# Altium PCB Dahlia Carrier Board.PcbDoc (part 9 of 10)
Units mm, origin at the board's own origin, x right, y up, seen from the top; angles counter-clockwise.
Board outline 120 x 120 mm, 6 copper layers (Top Layer, GND, Layer 1, Layer 2, GND2, Bottom Layer), stack 1.558 mm thick; 879 components, 677 nets, 3194 pads, 1445 vias.
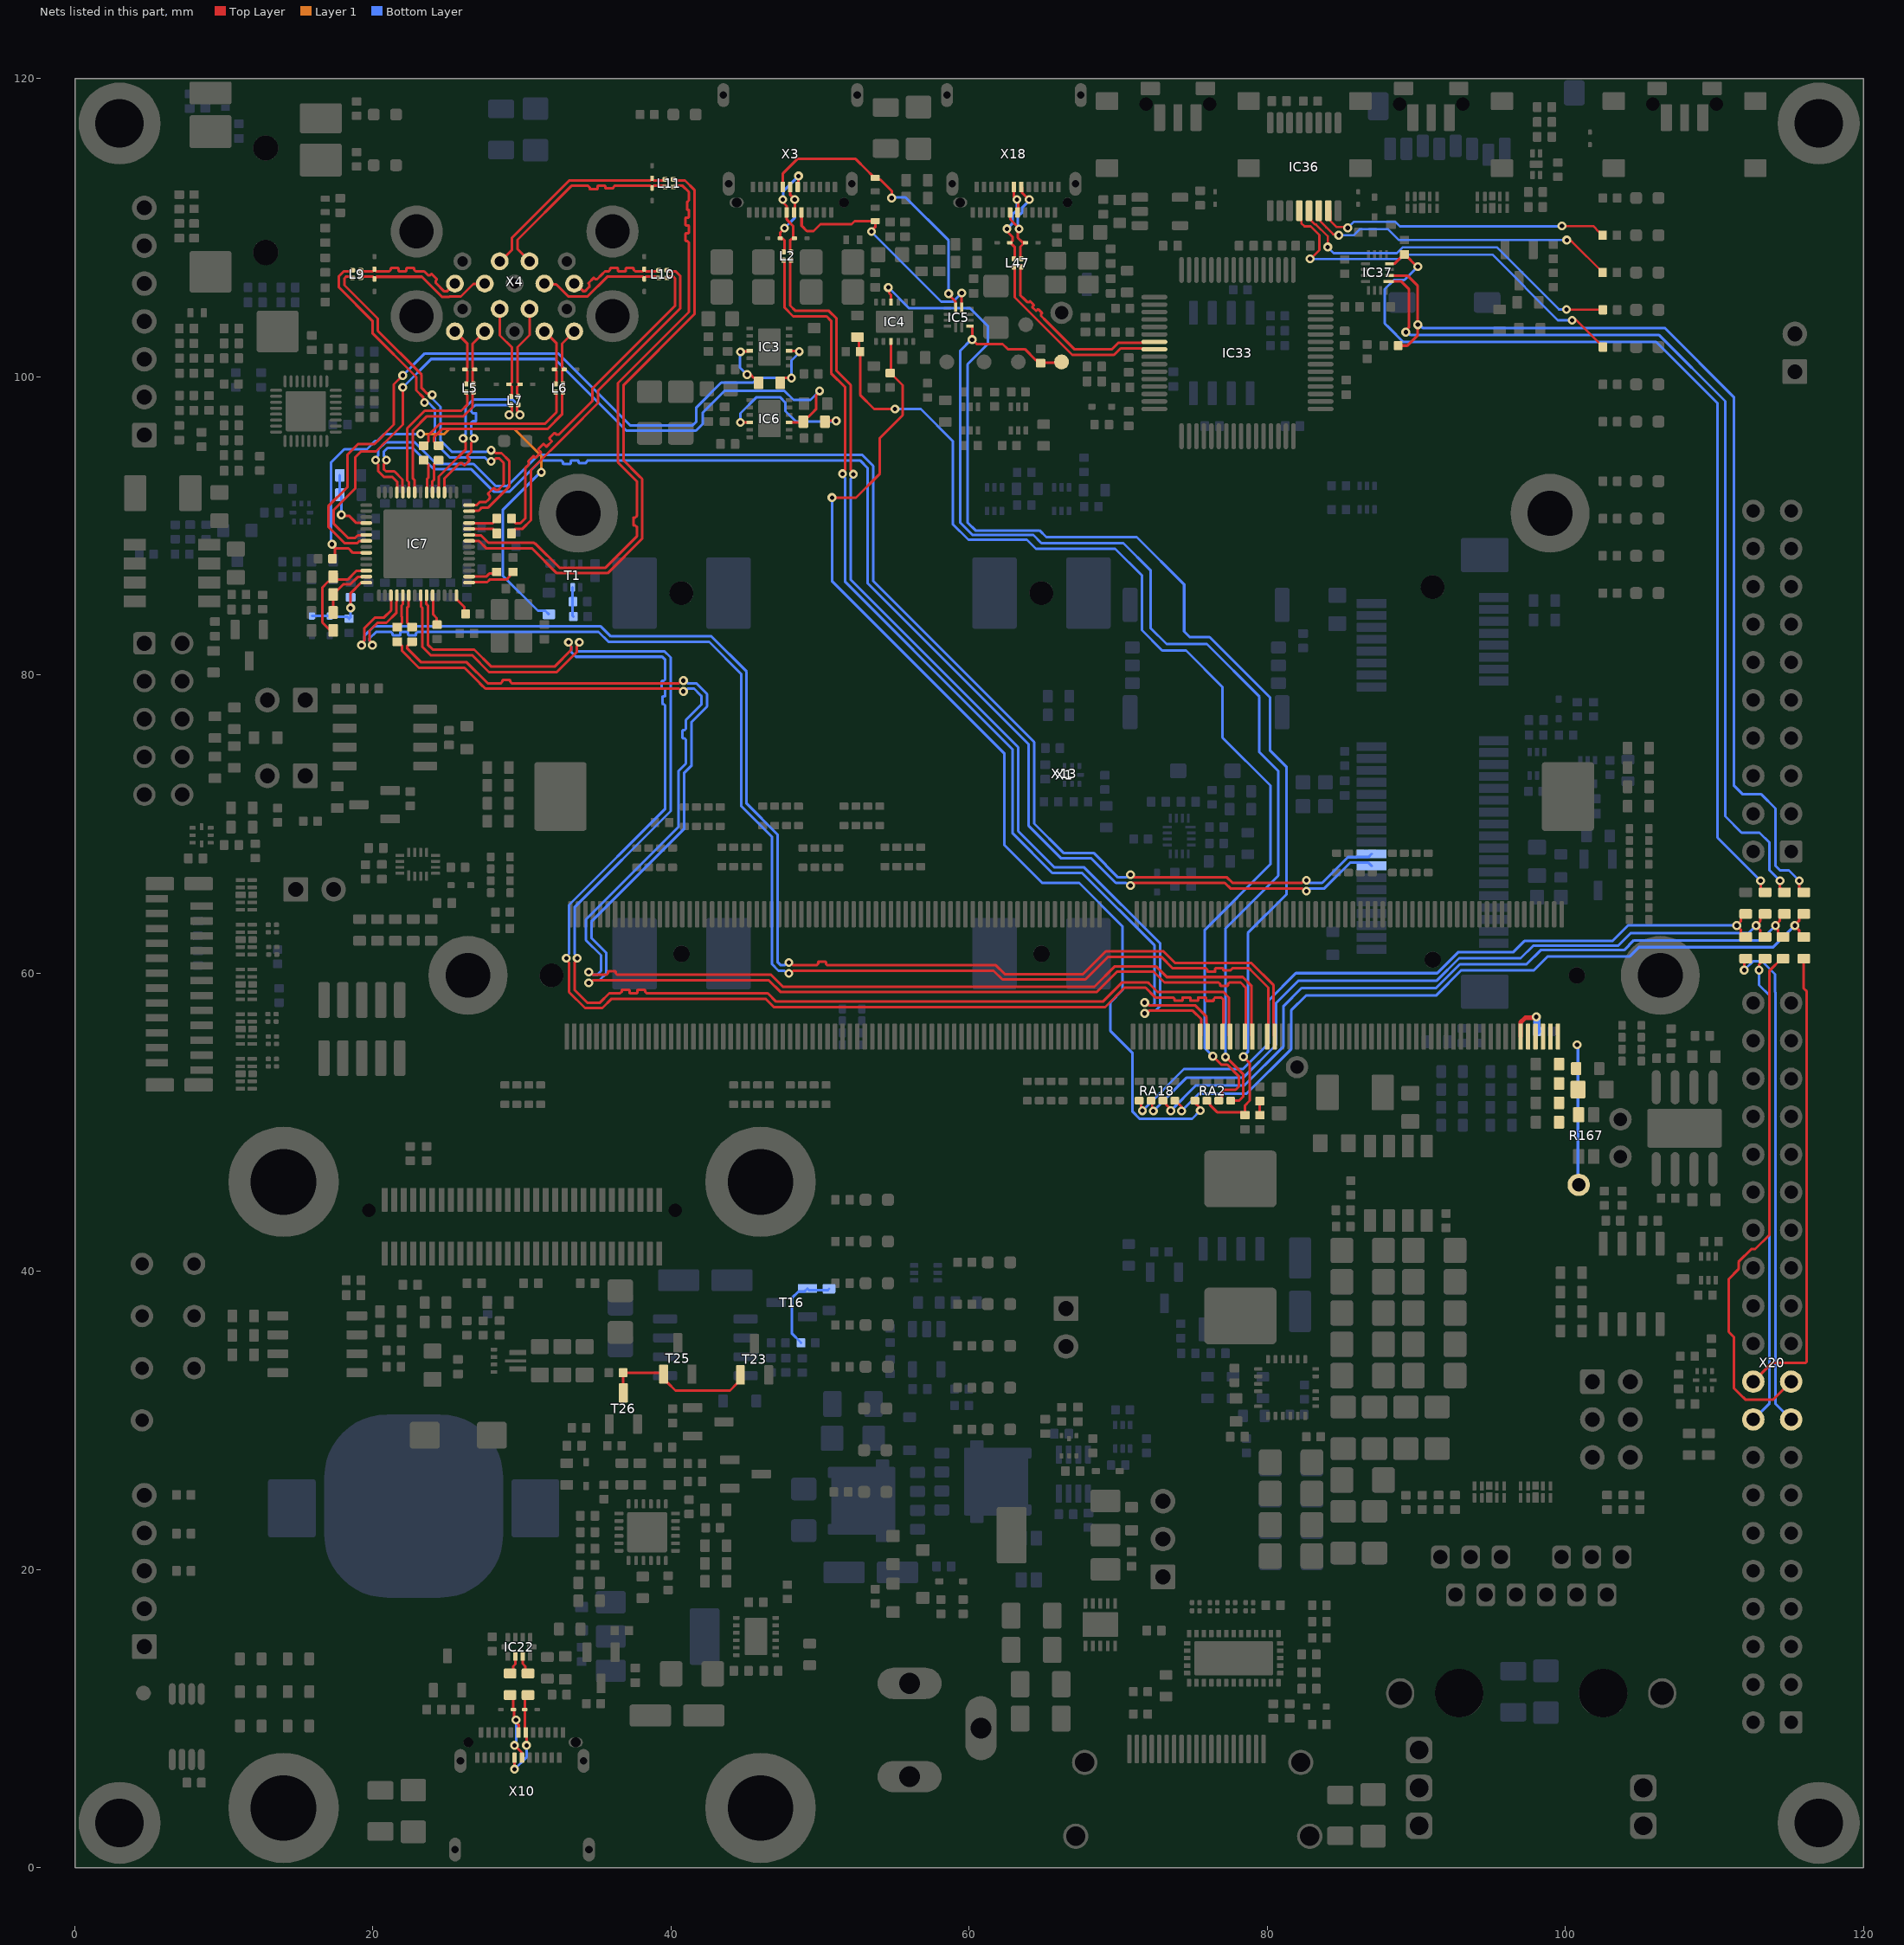
[diagram p13: the nets of this part, all layers, seen from the top]

## Via types
v1: diameter 0.6, hole 0.3, Top Layer to Bottom Layer, tented both sides, 1316 vias
v2: diameter 0.6/0/0/0/0/0.6 (per signal layer), hole 0.3, Top Layer to Bottom Layer, tented both sides, 70 vias
v3: diameter 0.6, hole 0.3, Top Layer to Bottom Layer, 58 vias
v4: diameter 0.6/0.6/0.6/0.6/0.6/0.6 (per signal layer), hole 0.3, Top Layer to Bottom Layer, tented both sides, 1 vias

## Nets (pads, with @x,y where several pads share a name; then routed paths per layer and width w, separated by ;. In a path a pad name is that pad's centre, name@x,y a point inside that pad or via, vN(x,y) a via of type N, cw(c..) or ccw(c..) an arc to the next point about the centre after c; other vN are vias at no path point) (continued)
UART_3_DBG_TXD: IC37.4 R324.1 R328.2 | length 66.3
  Top Layer w0.175: IC37.4@88.2,107.6 88.212,107.613 88.567,107.613 R324.1@89.15,108.195 ; R324.1@89.2,108.22 89.225,108.22 90.045,107.4 v1(90.1,107.4) ; v1(113.1,66.2) 113.1,65.663 113.337,65.425 R328.2@113.4,65.425
  Bottom Layer w0.175: v1(90.1,107.4) 89.2,106.5 88.5,106.5 87.885,105.885 87.885,103.587 88.187,103.285 89.122,102.35 106.1,102.35 110.204,98.246 110.204,69.096 v1(113.1,66.2)
UART_3_RXD: R327.1 R333.2 RA18.8 | length 49.5
  Top Layer w0.175: R333.2@112.1,62.425 112.026,62.425 111.789,62.663 111.789,62.896 111.6,63.085 111.6,63.315 111.789,63.504 111.789,63.738 112.026,63.975 R327.1@112.1,63.975
  Top Layer w0.18: RA18.8@71.4,51.45 71.541,51.309 71.541,50.857 v1(71.621,50.777)
  Bottom Layer w0.18: v1(71.621,50.777) 74.41,53.566 78.373,53.566 80.1,55.293 80.1,58.18 81.92,60 91.405,60 92.805,61.4 96.5,61.4 97.254,62.154 103.154,62.154 104.2,63.2 v1(111.5,63.2)
UART_3_RXD_R: R333.1 X20.17 | length 33.9
  Top Layer w0.175: v1(112,60.2) 112,60.875 R333.1@112.1,60.975
  Bottom Layer w0.175: v1(112,60.2) 112.1,60.2 v1@112.181,60.119 ; v1@112.1,60.3 112.6,60.8 113.2,60.8 114.075,59.925 114.075,58.725 114.1,58.7 114.1,31.11 X20.17@115.15,30.06
UART_3_TXD: R328.1 R334.2 RA18.7 | length 49.9
  Top Layer w0.15: RA18.7@72.2,51.45 72.278,51.372 72.278,50.834 v1(72.357,50.756)
  Top Layer w0.175: v1(112.8,63.2) 112.8,63.174 113.089,62.885 113.089,62.663 113.326,62.425 R334.2@113.4,62.425 ; v1@113,63.315 113,63.4 113.089,63.489 113.089,63.738 113.326,63.975 R328.1@113.4,63.975
  Bottom Layer w0.175: v1(72.357,50.756) 74.601,53 78.4,53 80.6,55.2 80.6,58 82.1,59.5 91.375,59.5 92.875,61 97,61 97.85,61.85 103.549,61.85 104.4,62.7 111.272,62.7 111.287,62.686 112.285,62.686 v1(112.8,63.2)
UART_3_TXD_R: R334.1 X20.18 | length 31.8
  Top Layer w0.175: v1(113,60.2) 113,60.575 R334.1@113.4,60.975
  Bottom Layer w0.175: X20.18@112.61,30.06 113.7,31.15 113.7,58.5 113,59.2 v1@113,60.142
UART_4_DBG_RXD: IC37.1 R325.2 | length 63.2
  Top Layer w0.175: IC37.1@88.15,106.4 89,106.4 89.5,105.9 89.5,103.315 89.3,103.115 v1(89.3,103) ; v1(114.4,66.2) 114.4,65.725 R325.2@114.7,65.425
  Bottom Layer w0.175: v1(89.3,103) 89.415,103 89.615,102.8 106.3,102.8 110.725,98.375 110.725,70.525 111.825,69.425 113.025,69.425 113.7,68.75 113.7,66.9 v1(114.4,66.2)
UART_4_DBG_TXD: IC37.2 R323.2 R326.2 | length 66.6
  Top Layer w0.175: IC37.2@88.2,106.8 89.4,106.8 90.1,106.1 v1(90.1,103.5) 90.1,102.8 89.4,102.1 R323.2@88.78,102.1 ; v1(115.7,66.2) 115.7,65.725 R326.2@116,65.425
  Bottom Layer w0.175: v1(90.1,103.5) 90.215,103.5 90.43,103.286 106.665,103.286 111.3,98.65 111.3,72.6 111.9,72 113.151,72 114.1,71.051 114.1,67.2 114.4,66.9 115,66.9 v1(115.7,66.2)
UART_4_RXD: R325.1 R335.2 RA18.6 | length 50.3
  Top Layer w0.18: RA18.6@73,51.45 73.05,51.45 73.21,51.29 73.21,51.195 73.523,50.882 v1(73.523,50.773) ; R335.2@114.6,62.425 114.5,62.425 114.265,62.66 114.265,62.921 114.1,63.086 114.1,63.172 v1(114.1,63.2) 114.1,63.228 114.388,63.515 114.388,63.74 114.623,63.975 R325.1@114.7,63.975
  Bottom Layer w0.18: v1(73.523,50.773) 75.225,52.475 78.475,52.475 81.1,55.1 81.1,57.8 82.3,59 91.325,59 92.925,60.6 97.4,60.6 98.345,61.545 103.945,61.545 104.6,62.2 113.1,62.2 v1(114.1,63.2)
UART_4_RXD_R: R335.1 X20.19 | length 35.3
  Top Layer w0.175: R335.1@114.6,60.975 114.5,60.975 113.7,60.175 113.7,42.453 112.737,41.49 112.483,41.49 111.622,40.629 111.622,40.145 110.959,39.482 110.959,35.941 111.3,35.6 111.3,32.175 111.954,31.521 111.965,31.521 112.111,31.375 113.925,31.375 X20.19@115.15,32.6
UART_4_TXD: R326.1 R336.2 RA18.5 | length 50.9
  Top Layer w0.18: RA18.5@73.8,51.45 73.843,51.45 74.25,51.043 v1(74.25,50.75) ; R336.2@116,62.425 115.923,62.425 115.688,62.66 115.688,62.885 115.4,63.172 v1(115.4,63.2) 115.4,63.228 115.688,63.515 115.688,63.74 115.923,63.975 R326.1@116,63.975
  Bottom Layer w0.18: v1(74.25,50.75) 75.425,51.925 78.625,51.925 81.6,54.9 81.6,57.5 82.6,58.5 91.325,58.5 93.025,60.2 97.9,60.2 98.825,61.125 104.325,61.125 104.942,61.742 113.942,61.742 v1(115.4,63.2)
UART_4_TXD_R: R336.1 X20.20 | length 31.3
  Top Layer w0.175: X20.20@112.61,32.6 113.86,33.85 116.097,33.85 116.2,33.953 116.2,58.775 116,58.975 R336.1@116,60.975
UARTC_RX_LED: IC36.5 R317.2 | length 23.5
  Top Layer w0.15: IC36.5@82.9,111.15 82.9,110.555 82.95,110.505 82.95,110.473 83,110.423 83.198,110.225 83.275,110.225 84.055,109.445 v1(84.055,108.711) ; v1(100.075,104.525) 100.1,104.5 R317.2@102.52,104.5
  Bottom Layer w0.15: v1(84.055,108.711) 84.468,108.298 88.696,108.298 89.098,108.7 95.4,108.7 99.575,104.525 v1(100.075,104.525)
UARTC_TX_LED: IC36.4 R315.2 | length 26.6
  Top Layer w0.15: IC36.4@82.25,111.15 82.287,111.113 82.287,110.313 82.5,110.1 82.91,110.1 83.5,109.51 83.5,108.514 82.911,107.925 v1(82.875,107.925) ; v1(100.45,103.8) 100.745,103.8 102.52,102.025 R315.2@102.52,102
  Bottom Layer w0.15: v1(82.875,107.925) 82.9,107.9 88.9,107.9 89.2,108.2 95.099,108.2 99.499,103.8 v1(100.45,103.8)
UARTD_RX_LED: IC36.7 R320.2 | length 19.7
  Top Layer w0.15: IC36.7@84.2,111.15 84.227,111.123 84.227,110.473 84.64,110.06 85.34,110.06 v1(85.4,110) ; v1(99.775,110.125) 101.875,110.125 102.265,109.735 102.29,109.735 102.5,109.525 R320.2@102.5,109.5
  Bottom Layer w0.15: v1(85.4,110) 85.8,110.4 88.6,110.4 88.9,110.1 90.19,110.1 90.192,110.098 99.748,110.098 v1(99.775,110.125)
UARTD_TX_LED: IC36.6 R319.2 | length 21.4
  Top Layer w0.15: IC36.6@83.55,111.15 83.55,110.45 83.965,110.035 84.429,109.571 84.728,109.571 v1(84.8,109.5) ; v1(100.1,109.175) 100.186,109.089 100.436,109.089 102.5,107.025 R319.2@102.5,107
  Bottom Layer w0.15: v1(84.8,109.5) 84.802,109.498 85.798,109.498 86.202,109.902 88.108,109.902 88.835,109.175 v1(100.1,109.175)
USB_1_CC1: D4.2 IC5.1 X3.A5 | length 16.3
  Top Layer w0.175: X3.A5@48.75,111.04 48.76,111.03 48.76,110.14 49.115,109.786 49.563,109.786 50.028,110.25 52.119,110.25 52.319,110.45 D4.2@53.7,110.45 53.7,110.049 53.45,109.799 v1(53.45,109.75) ; IC5.1@59.5,104.65 v1(59.5,105.625)
  Bottom Layer w0.175: v1(53.45,109.75) 53.45,109.725 58.125,105.05 58.925,105.05 v1(59.5,105.625)
USB_1_CC2: D5.2 IC5.2 X3.B5 | length 19.7
  Top Layer w0.175: X3.B5@47.5,112.74 47.51,112.75 47.51,113.653 48.472,114.615 52.386,114.615 53.13,113.87 53.488,113.512 53.488,113.462 53.712,113.238 54.037,113.238 54.8,112.475 v1(54.8,112) ; v1(58.625,105.588) 58.625,105.525 59.087,105.063 59.087,104.663 IC5.2@59.1,104.65
  Bottom Layer w0.175: v1(54.8,112) 54.85,112.05 55.725,112.05 58.625,109.15 v1(58.625,105.588)
USB_1_D_CON_N: D3.1 L2.3 X3.A7 X3.B7 | length 7
  Top Layer w0.175: v1(47.5,111.9) 47.5,111.725 47.757,111.468 X3.A7@47.757,111.037 ; X3.A7@47.75,111.04 47.753,111.037 X3.A7@47.757,111.037 ; L2.3@48.05,108.375 47.987,108.437 47.987,108.56 47.982,108.565 47.982,109.16 48.085,109.262 48.242,109.262 D3.1@48.28,109.3 48.238,109.3 48.2,109.338 48.2,110.117 47.766,110.551 47.766,111.028 X3.A7@47.757,111.037 ; X3.B7@48.55,112.59 v1(48.55,113.475)
  Bottom Layer w0.175: v1(47.5,111.9) 47.537,111.937 47.537,112.462 v1(48.55,113.475)
USB_1_D_CON_P: D2.1 L2.4 X3.A6 X3.B6 | length 6.2
  Top Layer w0.175: D2.1@47.375,109.3 D2.1@47.368,109.3 ; L2.4@47.55,108.375 47.613,108.437 47.613,108.56 47.617,108.565 47.617,109.16 47.515,109.262 47.357,109.262 D2.1@47.32,109.3 D2.1@47.368,109.3 ; v1(47.609,109.98) 47.509,109.88 47.509,109.865 47.331,109.688 47.331,109.338 D2.1@47.368,109.3 ; X3.B6@48.01,112.74 48,112.73 48,112.198 v1@48.299,111.9 ; X3.A6@48.3,110.89 v1(48.3,111.9)
  Bottom Layer w0.175: v1(47.609,109.98) 48.3,110.671 v1(48.3,111.9)
USB_1_D_N: L2.2 X1.163 | length 69.5
  Top Layer w0.175: L2.2@48.05,107.825 47.987,107.763 47.987,107.64 47.985,107.638 47.985,104.79 48.35,104.425 50.591,104.425 51.104,103.912 51.104,100.396 52.05,99.45 52.05,93.764 52.23,93.583 v2(52.23,93.468) ; v2(71.775,57.3) 71.89,57.3 72.071,57.481 75.003,57.481 75.568,56.916 75.568,56.64 75.563,56.635 75.563,55.812 X1.163@75.5,55.75
  Bottom Layer w0.175: v2(52.23,93.468) 52.23,93.353 52.05,93.173 52.05,86.392 63.29,75.151 63.29,69.526 65.726,67.09 67.726,67.09 72.808,62.008 72.808,57.797 72.492,57.481 72.071,57.481 71.89,57.3 v2(71.775,57.3)
USB_1_D_P: L2.1 X1.165 | length 69.5
  Top Layer w0.175: L2.1@47.55,107.825 47.613,107.763 47.613,107.64 47.62,107.633 47.62,104.639 48.199,104.06 50.44,104.06 50.739,103.761 50.739,100.244 51.685,99.299 51.685,93.796 51.504,93.615 v2(51.504,93.5) ; v2(71.775,58.027) 71.89,58.027 72.071,57.846 75.154,57.846 75.933,57.067 75.933,56.64 75.938,56.635 75.938,55.812 X1.165@76,55.75
  Bottom Layer w0.175: v2(51.504,93.5) 51.504,93.385 51.685,93.204 51.685,86.24 60.842,77.083 61.1,76.825 62.925,75 62.925,69.375 65.575,66.725 67.575,66.725 72.443,61.857 72.443,57.949 72.341,57.846 72.071,57.846 71.89,58.027 v2(71.775,58.027)
USB_1_EN: IC4.9 R16.2 RA2.8 | length 71.3
  Top Layer w0.175: v1(50.8,91.9) 52.399,91.9 54.01,93.511 54.01,95.897 55.539,97.427 55.539,99.44 54.725,100.255 R16.2@54.7,100.255 54.75,100.305 IC4.9@54.75,102.38 ; RA2.8@75.05,51.5 75.1,51.5 75.1,51.35 75.523,50.927 75.507,50.911 v1(75.507,50.781)
  Bottom Layer w0.175: v1(50.8,91.9) 50.8,86.304 62.375,74.729 62.375,68.575 64.9,66.05 67.381,66.05 70.275,63.156 70.275,58.85 69.485,58.061 69.485,56.112 70.964,54.633 70.964,50.706 71.435,50.236 74.962,50.236 v1(75.507,50.781)
USB_1_ID: IC5.9 R22.1 RA2.5 TP13.1 | length 77.8
  Top Layer w0.175: IC5.9@60.05,103.4 60.187,103.4 60.2,103.388 v1(60.2,102.5) 60.215,102.5 60.515,102.2 62.252,102.2 62.592,101.86 63.74,101.86 64.482,101.118 64.602,101.118 R22.1@64.8,100.92 64.84,100.96 66.16,100.96 TP13.1@66.2,101 ; v1(77.2,54.375) 77.238,54.375 78.402,53.211 78.402,51.739 78.113,51.45 RA2.5@77.55,51.45
  Bottom Layer w0.175: v1(60.2,102.5) 60.148,102.5 59.4,101.752 59.4,90.225 60.227,89.398 64.302,89.398 64.85,88.85 70.35,88.85 72.165,87.035 72.165,83.16 73.25,82.075 75.95,82.075 79.475,78.55 79.475,74.825 80.739,73.561 80.739,66.54 77.2,63 v1(77.2,54.375)
USB_1_OC#: IC4.4 R15.1 RA2.7 | length 82.6
  Top Layer w0.175: v1(54.575,106) 54.635,105.94 54.635,105.615 54.75,105.5 IC4.4@54.75,105.02 ; RA2.7@75.95,51.45 76,51.45 76.163,51.287 76.163,51.152 76.637,50.678 78.302,50.678 R15.1@78.5,50.48 78.5,51.125 78.825,51.45 78.825,53.961 78.4,54.386 v1(78.4,54.4)
  Bottom Layer w0.175: v1(54.575,106) 55.961,104.614 60.06,104.614 61.25,103.425 61.25,102.2 59.9,100.85 59.9,90.225 60.425,89.7 64.725,89.7 65.175,89.25 71.25,89.25 74.425,86.075 74.425,82.925 74.8,82.55 76.132,82.55 80.175,78.507 80.175,74.952 81.3,73.827 81.3,65.3 78.7,62.7 78.7,54.715 78.4,54.415 v1(78.4,54.4)
USB_1_VBUS: R13.1 R14.1 RA2.6 | length 74.9
  Top Layer w0.175: R13.1@52.5,102.675 52.6,102.575 52.6,101.78 R14.1@52.68,101.7 52.68,98.792 53.622,97.85 v1(55.025,97.85) ; v1(76.35,54.425) 76.914,53.861 77.325,53.861 78.088,53.098 78.088,53.087 78.1,53.075 78.1,52.4 77.875,52.175 77.1,52.175 76.963,52.038 76.963,51.612 76.8,51.45 RA2.6@76.75,51.45
  Bottom Layer w0.175: v1(55.025,97.85) 56.753,97.85 58.9,95.703 58.9,90.125 59.95,89.075 63.875,89.075 64.475,88.475 69.8,88.475 71.589,86.686 71.589,83.011 72.95,81.65 74.55,81.65 77,79.2 77,75.8 80.214,72.586 80.214,67.314 75.812,62.912 75.812,54.963 v1(76.35,54.425)
USB_2_D_N: IC7.46 X1.181 | length 91.6
  Top Layer w0.175: v1(19.957,82) 19.957,82.115 19.776,82.296 19.776,82.976 20.3,83.5 20.9,83.5 21.582,84.182 21.582,84.909 21.586,84.913 21.586,85.336 IC7.46@21.6,85.35 ; v2(47.9,59.986) 48.015,59.986 48.196,60.167 48.633,60.167 61.642,60.167 62.234,59.575 67.8,59.575 69.325,61.1 72.884,61.1 73.659,60.325 75.275,60.325 75.888,60.325 75.99,60.222 75.99,60.119 76.016,60.093 76.489,60.093 76.515,60.119 76.515,60.299 76.541,60.325 77.014,60.325 77.04,60.299 77.04,60.221 77.066,60.195 77.539,60.195 77.565,60.221 ; 77.565,60.222 77.668,60.325 77.8,60.325 78.775,60.325 79.05,60.05 80.068,59.032 80.068,56.888 80.068,56.64 80.063,56.635 80.063,55.812 X1.181@80,55.75
  Bottom Layer w0.175: v1(19.957,82) 19.957,82.115 19.776,82.296 19.776,82.46 20.216,82.9 20.6,82.9 21.213,82.9 21.315,82.797 21.315,82.694 21.341,82.668 21.814,82.668 21.84,82.694 21.84,82.874 21.866,82.9 22.339,82.9 22.365,82.874 22.365,82.694 22.391,82.668 22.864,82.668 22.89,82.694 22.89,82.797 22.993,82.9 23.325,82.9 28.799,82.9 35.134,82.9 35.809,82.225 42.559,82.225 44.7,80.084 44.7,71.225 45.175,70.75 46.775,69.15 46.775,60.603 47.211,60.167 47.604,60.167 47.785,59.986 v2(47.9,59.986)
USB_2_D_P: IC7.45 X1.183 | length 91.9
  Top Layer w0.175: v1(19.23,82) 19.23,82.115 19.411,82.296 19.411,83.127 20.149,83.865 20.749,83.865 21.217,84.334 21.217,84.909 21.214,84.913 21.214,85.336 IC7.45@21.2,85.35 ; v2(47.9,60.713) 48.015,60.713 48.196,60.532 48.785,60.532 49.675,60.532 49.763,60.532 49.865,60.634 49.865,60.738 49.891,60.764 50.364,60.764 50.39,60.738 50.39,60.634 50.493,60.532 50.9,60.532 61.793,60.532 62.385,59.94 67.649,59.94 69.174,61.465 73.035,61.465 73.525,60.975 73.81,60.69 78.926,60.69 80.433,59.184 80.433,57.039 80.433,56.64 80.438,56.635 80.438,55.812 X1.183@80.5,55.75
  Bottom Layer w0.175: v1(19.23,82) 19.23,82.115 19.411,82.296 19.411,82.611 20.065,83.265 23.325,83.265 28.648,83.265 35.285,83.265 35.96,82.59 42.71,82.59 45.065,80.235 45.065,71.376 47.14,69.301 47.14,60.754 47.362,60.532 47.604,60.532 47.785,60.713 v2(47.9,60.713)
USB_2_EN: R31.2 R35.2 T1.2 | length 2
  Bottom Layer w0.175: T1.2@33.4,85.885 33.4,83.965 R31.2@33.44,83.925
USB_2_OC#: R30.1 R32.2 | length 0.8
  Top Layer w0.18: R30.1@79.5,50.625 R32.2@79.5,51.42
USB_2_SSRX_C_N: C30.1 IC7.48 | length 2.3
  Top Layer w0.175: IC7.48@22.4,85.35 22.394,85.344 22.394,84.621 22.285,84.513 22.285,84.089 22.307,84.067 22.307,83.492 22.585,83.215 C30.1@22.625,83.215
USB_2_SSRX_C_P: C29.1 IC7.47 | length 2.3
  Top Layer w0.175: C29.1@21.625,83.215 21.665,83.215 21.942,83.492 21.942,83.896 21.92,83.918 21.92,84.664 22.006,84.75 22.006,85.344 IC7.47@22,85.35
USB_2_SSRX_N: C30.2 X1.175 | length 95.4
  Top Layer w0.175: C30.2@22.625,82.235 22.585,82.235 22.307,81.957 22.307,81.776 23.233,80.85 26.291,80.85 27.691,79.45 28.35,79.45 28.582,79.45 28.685,79.553 28.685,79.649 28.711,79.675 29.184,79.675 29.21,79.649 29.21,79.553 29.312,79.45 29.925,79.45 40.529,79.45 40.71,79.631 v1(40.825,79.631) ; v1(34.475,59.344) 34.59,59.344 34.771,59.525 46.559,59.525 47.359,58.725 68.55,58.725 69.925,60.1 72.384,60.1 73.109,59.375 76.125,59.375 76.738,59.375 76.84,59.272 76.84,59.169 76.866,59.143 77.339,59.143 77.365,59.169 77.365,59.272 77.468,59.375 77.925,59.375 78.209,59.375 78.568,59.016 78.568,56.64 78.563,56.635 78.563,55.812 X1.175@78.5,55.75
  Bottom Layer w0.175: v1(34.475,59.344) 34.59,59.344 34.771,59.525 35.189,59.525 35.665,60.001 35.665,61.351 34.65,62.366 34.65,63.449 35.061,63.86 40.865,69.664 40.865,73.415 41.357,73.907 41.357,76.832 42.415,77.89 42.415,78.726 41.691,79.45 41.121,79.45 40.94,79.631 v1(40.825,79.631)
USB_2_SSRX_P: C29.2 X1.177 | length 95.4
  Top Layer w0.175: C29.2@21.625,82.235 21.665,82.235 21.942,81.958 21.942,81.624 23.082,80.485 26.14,80.485 27.025,79.6 27.283,79.342 27.54,79.085 40.529,79.085 40.71,78.904 v1(40.825,78.904) ; v1(34.475,60.071) 34.59,60.071 34.771,59.89 35.575,59.89 35.663,59.89 35.765,59.993 35.765,60.096 35.791,60.122 36.264,60.122 36.29,60.096 36.29,59.993 36.393,59.89 36.775,59.89 46.71,59.89 47.51,59.09 68.399,59.09 69.774,60.465 72.535,60.465 72.749,60.251 72.825,60.175 73.26,59.74 78.36,59.74 78.933,59.167 78.933,56.64 78.938,56.635 78.938,55.812 X1.177@79,55.75
  Bottom Layer w0.175: v1(34.475,60.071) 34.59,60.071 34.771,59.89 35.038,59.89 35.3,60.152 35.3,61.2 34.285,62.215 34.285,63.6 34.91,64.225 40.5,69.815 40.5,73.566 40.992,74.058 40.992,75.575 40.992,75.663 40.889,75.765 40.786,75.765 40.76,75.791 40.76,76.264 40.786,76.29 40.889,76.29 40.992,76.393 40.992,76.65 40.992,76.983 42.05,78.041 42.05,78.575 41.95,78.675 41.54,79.085 41.121,79.085 40.94,78.904 v1(40.825,78.904)
USB_2_SSTX_N: IC7.51 X1.169 | length 97
  Top Layer w0.175: IC7.51@23.6,85.35 23.586,85.336 23.586,84.913 23.582,84.909 23.582,84.761 23.679,84.664 23.679,82.037 24.016,81.7 26.8,81.7 27.935,80.565 32.183,80.565 33.3,81.682 33.3,81.904 33.119,82.085 v2(33.119,82.2) ; v2(32.973,61) 32.973,60.885 33.154,60.704 33.154,58.73 34.224,57.66 35.385,57.66 36.01,58.285 46.34,58.285 46.9,57.725 69.125,57.725 70.425,59.025 71.834,59.025 72.484,58.375 72.975,58.375 73.682,58.375 73.785,58.272 73.785,58.174 73.811,58.148 74.284,58.148 74.31,58.174 74.31,58.349 74.336,58.375 74.809,58.375 74.835,58.349 74.835,58.174 74.861,58.148 75.334,58.148 75.36,58.174 75.36,58.349 75.386,58.375 75.859,58.375 75.885,58.349 75.885,58.169 75.911,58.143 76.384,58.143 76.41,58.169 76.41,58.272 76.512,58.375 76.6,58.375 76.909,58.375 77.068,58.216 77.068,56.64 77.063,56.635 77.063,55.812 X1.169@77,55.75
  Bottom Layer w0.175: v2(32.973,61) 32.973,61.115 33.154,61.296 33.154,64.57 39.61,71.026 39.61,77.85 39.61,77.938 39.507,78.04 39.443,78.04 39.416,78.066 39.416,78.539 39.443,78.565 39.584,78.565 39.61,78.591 39.61,79.064 39.584,79.09 39.404,79.09 39.378,79.116 39.378,79.589 39.404,79.615 39.507,79.615 39.61,79.718 39.61,79.875 39.61,81.024 39.409,81.225 33.616,81.225 33.3,81.541 33.3,81.904 33.119,82.085 v2(33.119,82.2)
USB_2_SSTX_P: IC7.50 X1.171 | length 97.2
  Top Layer w0.175: IC7.50@23.2,85.35 23.214,85.336 23.214,84.913 23.217,84.909 23.217,84.61 23.314,84.513 23.314,81.886 23.865,81.335 26.649,81.335 27.784,80.2 32.334,80.2 33.665,81.531 33.665,81.904 33.846,82.085 v2(33.846,82.2) ; v2(33.7,61) 33.7,60.885 33.519,60.704 33.519,58.881 34.375,58.025 35.234,58.025 35.859,58.65 36.375,58.65 36.582,58.65 36.685,58.753 36.685,58.856 36.711,58.882 37.184,58.882 37.21,58.856 37.21,58.676 37.236,58.65 37.709,58.65 37.735,58.676 37.735,58.856 37.761,58.882 38.234,58.882 38.26,58.856 38.26,58.753 38.362,58.65 38.975,58.65 46.491,58.65 47.051,58.09 68.974,58.09 70.274,59.39 71.985,59.39 72.199,59.176 72.2,59.175 72.635,58.74 77.06,58.74 77.433,58.367 77.433,56.64 77.438,56.635 77.438,55.812 X1.171@77.5,55.75
  Bottom Layer w0.175: v2(33.7,61) 33.7,61.115 33.519,61.296 33.519,64.419 39.975,70.875 39.975,81.175 39.56,81.59 33.768,81.59 33.665,81.693 33.665,81.904 33.846,82.085 v2(33.846,82.2)
USB_CHG_CON_N: D33.1 R161.2 X10.A7 X10.B7 | length 6.1
  Top Layer w0.175: v1(29.5,6.6) X10.B7@29.5,7.366 ; X10.A7@30.2,8.9 30.3,8.8 v1(30.3,8.2) ; X10.A7@30.25,9.066 30.2,9.116 30.2,10.58 D33.1@30.18,10.6 30.18,11.355 R161.2@30.4,11.575
  Bottom Layer w0.175: v1(29.5,6.6) 30.3,7.4 v1(30.3,8.2)
USB_CHG_CON_P: D32.1 R160.2 X10.A6 X10.B6 | length 5.3
  Top Layer w0.175: R160.2@29.2,11.575 29.42,11.355 D32.1@29.42,10.6 29.422,10.6 29.46,10.563 29.46,9.94 29.5,9.9 v1(29.6,9.9) ; v1@29.453,9.9 29.777,9.576 29.777,9.093 X10.A6@29.75,9.066 ; v1(29.5,8.2) X10.B6@29.998,7.701
  Bottom Layer w0.175: v1(29.5,8.2) 29.6,8.3 v1(29.6,9.9)
USB_CHG_N: IC22.8 R161.1 | length 1.3
  Top Layer w0.175: IC22.8@30.05,14.16 30.05,13.675 30.215,13.51 30.215,13.21 R161.1@30.4,13.025
USB_CHG_P: IC22.7 R160.1 | length 1.3
  Top Layer w0.175: R160.1@29.2,13.025 29.41,13.235 29.41,13.51 29.55,13.65 IC22.7@29.55,14.16
USB_DBG_CON_N: D48.1 L47.1 X18.A7 X18.B7 | length 6.7
  Top Layer w0.175: X18.A7@62.7,110.839 62.704,110.839 62.765,110.777 62.765,110.56 63.152,110.173 ; v2(63.35,109.925) 63.35,109.81 63.265,109.725 63.265,109.335 63.562,109.038 63.742,109.038 D48.1@63.78,109 ; L47.1@63.5,107.925 63.437,107.987 63.437,108.11 63.433,108.115 63.433,108.733 D48.1@63.662,108.962 ; X18.B7@63.5,112.74 63.562,112.678 63.562,112.338 64.031,111.869 64,111.9 64.003,111.903 v2(64.027,111.903)
  Bottom Layer w0.175: v2(63.35,109.925) 63.269,110.006 63.269,110.236 63.265,110.24 63.265,110.749 63.565,111.049 63.565,111.365 63.911,111.711 63.911,111.814 v2@63.875,111.85
USB_DBG_CON_P: D49.1 L47.2 X18.A6 X18.B6 | length 6.7
  Top Layer w0.175: v2(62.539,109.93) 62.621,109.849 62.621,109.679 62.9,109.4 62.9,109.125 D49.1@62.775,109 ; L47.2@63,107.925 63.063,107.987 63.063,108.11 63.068,108.115 63.068,108.692 62.812,108.948 62.812,108.962 D49.1@62.775,109 ; X18.B6@63,112.74 63,112.076 63.216,111.86 63.2,111.876 v2(63.2,111.9) 63.2,111.777 63.278,111.699 X18.A6@63.278,111.002 ; D49.1@62.775,109 D49.1@62.72,109 D49.1@62.775,109